# Altium PCB MainBoard_v1.PcbDoc (part 2 of 2)
Units mil, origin at the board's own origin, x right, y up, seen from the top; angles counter-clockwise.
Board outline 6125 x 6375 mil, 2 copper layers (Top Layer, Bottom Layer); 193 components, 120 nets, 701 pads, 462 vias.
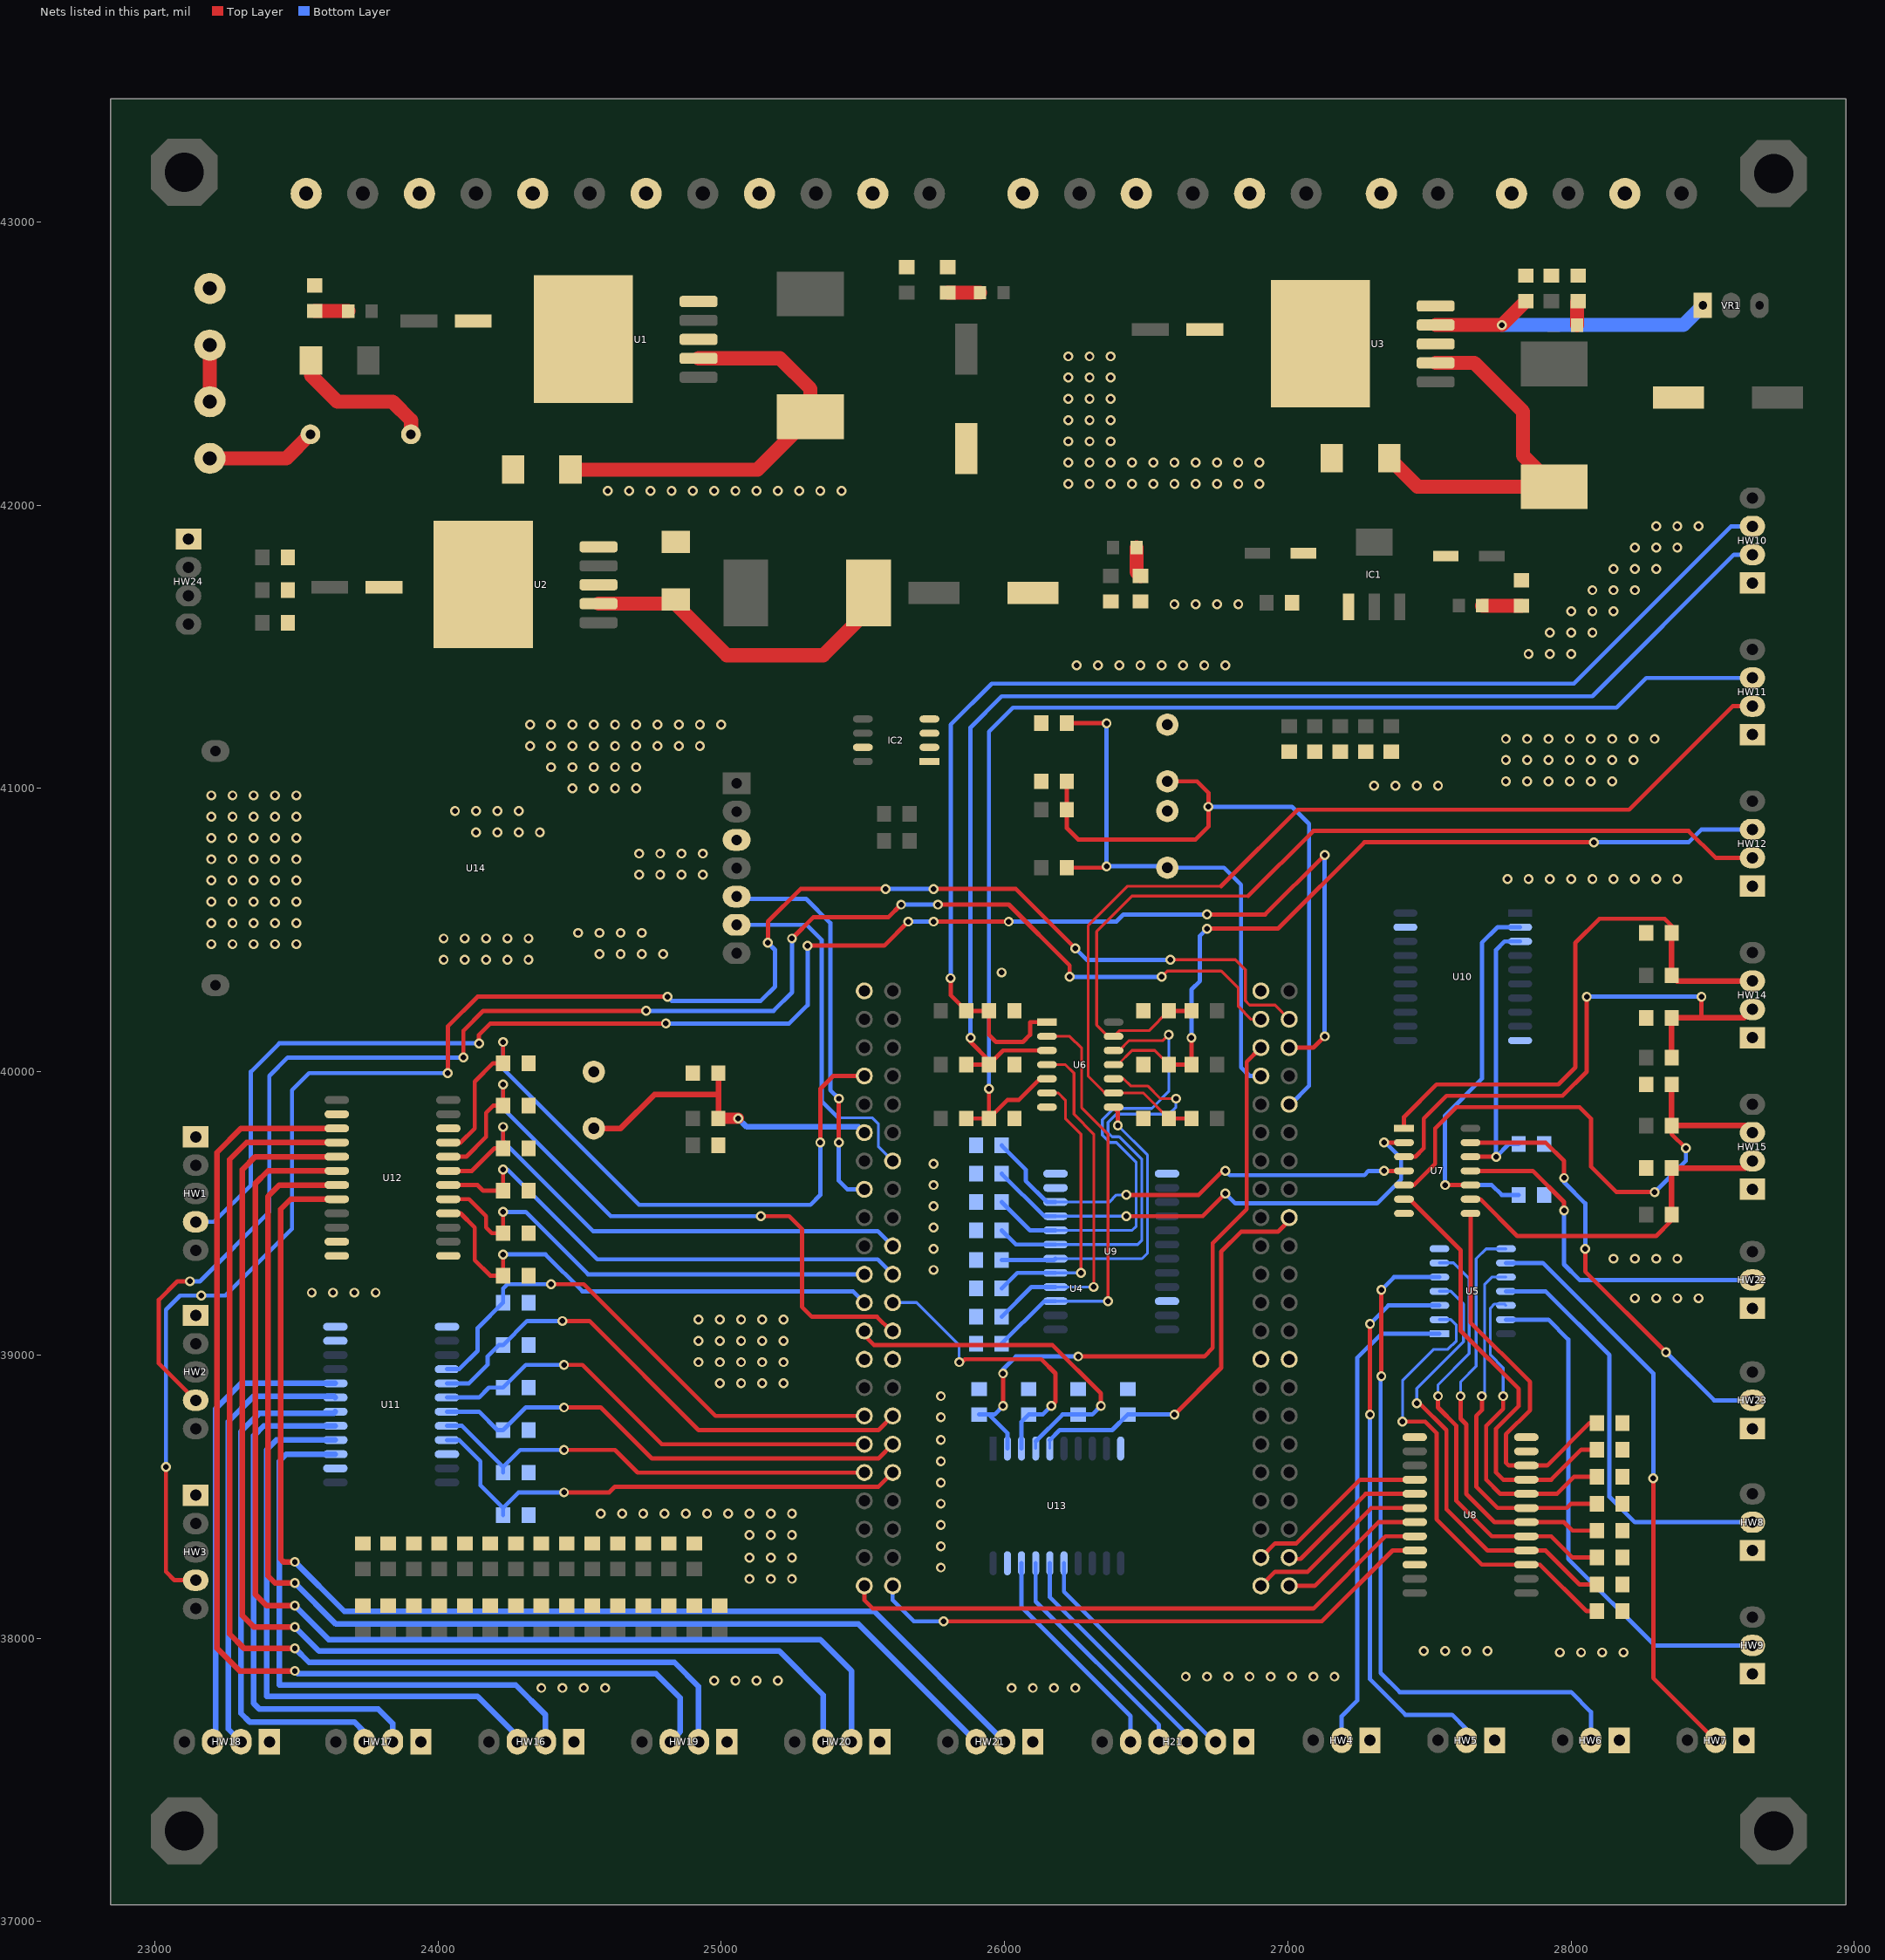
[diagram p2: the nets of this part, all layers, seen from the top]

## Via types
v1: diameter 35, hole 20, Top Layer to Bottom Layer, 462 vias

## Nets (pads, with @x,y where several pads share a name; then routed paths per layer and width w, separated by ;. In a path a pad name is that pad's centre, name@x,y a point inside that pad or via, vN(x,y) a via of type N, cw(c..) or ccw(c..) an arc to the next point about the centre after c; other vN are vias at no path point) (continued)
GND: C1.1 C2.2 C3.1 C4.2 C5.1 C6.2 C7.1 C8.2 C9.1 C10.2 C11.1 C12.2 C13.1 C14.2 C15.1 C16.2 C17.1 C18.1 C19.2 C20.2 C21.2 C22.2 C23.2 C24.2 C25.2 C26.2 C27.2 C28.2 C29.1 C30.1 C31.2 C32.1 C33.1 C34.2 C35.1 C36.1 C37.2 C38.1 C39.1 C40.2 C41.1 C42.1 C43.2 C44.2 C45.2 C46.2 C47.2 C48.2 C49.2 C50.2 C51.2 C52.2 C53.2 C54.2 C55.2 C56.2 C57.2 C58.2 C59.2 C60.2 C61.1 C62.1 C63.2 D2.2 D5.2 D8.2 H21.1 HD2.1 HD3.1 HD4.1 HD5.1 HD6.1 HD7.1 HD8.1 HD9.1 HD10.1 HD11.1 HD12.1 HD13.1 HD14.1 HW1.1 HW2.1 HW3.1 HW4.1 HW5.1 HW6.1 HW7.1 HW8.1 HW9.1 HW10.1 HW11.1 HW12.1 HW14.1 HW15.1 HW16.1 HW17.1 HW18.1 HW19.1 HW20.1 HW21.1 HW22.1 HW23.1 HW24.1 IC1.1 IC2.1 IC2.2 IC2.3 IC2.4 IC2.7 R1.2 R2.2 R3.2 R4.2 R5.2 R6.2 R20.1 R21.1 R22.1 R23.1 R24.1 R25.1 R26.1 R27.1 R28.1 R29.1 R30.1 R31.1 R32.2 R33.2 R34.2 R35.2 R36.2 R37.2 R38.2 R39.2 R40.2 R41.2 R42.2 R43.2 R44.2 R45.2 R46.2 R47.2 R48.2 R49.2 R50.2 R51.2 R52.2 R53.2 S1.1 S2.1 S3.1 U1.0 U1.3 U1.5 U2.0 U2.3 U2.5 U3.0 U3.3 U3.5 U4.1 U4.14 U4.31 U4.45 U4.58 U4.75 U5.7 U6.7 U7.7 U8.11 U8.12 U8.13 U8.22 U9.11 U9.12 U9.13 U9.22 U10.10 U10.19 U11.2 U11.11 U11.12 U11.13 U11.22 U12.2 U12.11 U12.12 U12.13 U12.22 U13.10 U13.19 U14.3
  other v1: 24365,37825 24440,37825 24515,37825 24590,37825 26025,37825 26100,37825 26175,37825 26250,37825 24975,37850 25050,37850 25125,37850 25200,37850 26640,37865 26715,37865 26790,37865 26865,37865 26940,37865 27015,37865 27090,37865 27165,37865 27960,37950 28035,37950 28110,37950 28185,37950 27480,37955 27555,37955 27630,37955 27705,37955 25100,38210 25175,38210 25250,38210 25775,38250 25100,38285 25175,38285 25250,38285 25775,38325 25100,38365 25175,38365 25250,38365 25775,38400 24575,38440 24650,38440 24725,38440 24800,38440 24875,38440 24950,38440 25025,38440 25100,38440 25175,38440 25250,38440 25775,38475 25775,38550 25775,38625 25775,38700 25775,38780 25775,38855 24995,38900 25070,38900 25145,38900 25220,38900 24920,38975 24995,38975 25070,38975 25145,38975 25220,38975 24920,39050 24995,39050 25070,39050 25145,39050 25220,39050 24920,39125 24995,39125 25070,39125 25145,39125 25220,39125 28225,39200 28300,39200 28375,39200 28450,39200 23555,39220 23630,39220 23705,39220 23780,39220 25750,39300 28150,39340 28225,39340 28300,39340 28375,39340 25750,39375 25750,39450 25750,39525 25750,39600 25750,39675 25990,40350 24020,40395 24095,40395 24170,40395 24245,40395 24320,40395 24570,40415 24645,40415 24720,40415 24795,40415 23200,40450 23275,40450 23350,40450 23425,40450 23500,40450 24020,40470 24095,40470 24170,40470 24245,40470 24320,40470 24495,40490 24570,40490 24645,40490 24720,40490 23200,40525 23275,40525 23350,40525 23425,40525 23500,40525 23200,40600 23275,40600 23350,40600 23425,40600 23500,40600 23200,40675 23275,40675 23350,40675 23425,40675 23500,40675 27775,40680 27850,40680 27925,40680 28000,40680 28075,40680 28150,40680 28225,40680 28300,40680 28375,40680 24710,40695 24785,40695 24860,40695 24935,40695 23200,40750 23275,40750 23350,40750 23425,40750 23500,40750 24710,40770 24785,40770 24860,40770 24935,40770 23200,40825 23275,40825 23350,40825 23425,40825 23500,40825 24135,40845 24210,40845 24285,40845 24360,40845 23200,40900 23275,40900 23350,40900 23425,40900 23500,40900 24060,40920 24135,40920 24210,40920 24285,40920 23200,40975 23275,40975 23350,40975 23425,40975 23500,40975 24475,41000 24550,41000 24625,41000 24700,41000 27305,41010 27380,41010 27455,41010 27530,41010 27770,41025 27845,41025 27920,41025 27995,41025 28070,41025 28145,41025 24400,41075 24475,41075 24550,41075 24625,41075 24700,41075 27770,41100 27845,41100 27920,41100 27995,41100 28070,41100 28145,41100 28220,41100 24325,41150 24400,41150 24475,41150 24550,41150 24625,41150 24700,41150 24775,41150 24850,41150 24925,41150 27770,41175 27845,41175 27920,41175 27995,41175 28070,41175 28145,41175 28220,41175 28295,41175 24325,41225 24400,41225 24475,41225 24550,41225 24625,41225 24700,41225 24775,41225 24850,41225 24925,41225 25000,41225 26255,41435 26330,41435 26405,41435 26480,41435 26555,41435 26630,41435 26705,41435 26780,41435 27850,41475 27925,41475 28000,41475 27925,41550 28000,41550 28075,41550 28000,41625 28075,41625 28150,41625 26600,41650 26675,41650 26750,41650 26825,41650 28075,41700 28150,41700 28225,41700 28150,41775 28225,41775 28300,41775 28225,41850 28300,41850 28375,41850 28300,41925 28375,41925 28450,41925 24600,42050 24675,42050 24750,42050 24825,42050 24900,42050 24975,42050 25050,42050 25125,42050 25200,42050 25275,42050 25350,42050 25425,42050 26225,42075 26300,42075 26375,42075 26450,42075 26525,42075 26600,42075 26675,42075 26750,42075 26825,42075 26900,42075 26225,42150 26300,42150 26375,42150 26450,42150 26525,42150 26600,42150 26675,42150 26750,42150 26825,42150 26900,42150 26225,42225 26300,42225 26375,42225 26225,42300 26300,42300 26375,42300 26225,42375 26300,42375 26375,42375 26225,42450 26300,42450 26375,42450 26225,42525 26300,42525 26375,42525
iDI1: HW22.2 U7.11 | length 1283.3
  Top Layer w15: U7.11@27645,39650 27865,39650 27975,39540 v1(27975,39510)
  Bottom Layer w15: v1(27975,39510) 27975,39320 28030,39265 HW22.2@28640,39265
iDI2: HW23.2 U7.13 | length 1556.5
  Top Layer w15: U7.13@27645,39750 27910,39750 27975,39685 v1(27975,39625) ; v1(28050,39375) 28050,39295 v1(28335,39010)
  Bottom Layer w10: v1@27975,39610 v1(27975,39625)
  Bottom Layer w15: v1@27975,39610 28050,39535 v1(28050,39375) ; v1(28335,39010) 28505,38840 HW23.2@28640,38840
iDIR1: R20.2 U4.27 U11.21 | length 1799.1
  Top Layer w15: v1(24445,38515) 24605,38515 24625,38535 25555,38535 U4.27@25605,38585
  Bottom Layer w15: U11.21@24031.85,38700 24075,38700 24150,38625 24150,38540 R20.2@24230,38460 ; R20.2@24230,38435 R20.2@24230,38460 ; v1(24445,38515) 24285,38515 R20.2@24230,38460
iDIR2: R22.2 U4.28 U11.19 | length 1728.5
  Top Layer w15: v1(24445,38815) 24575,38815 24755,38635 25555,38635 U4.28@25605,38685
  Bottom Layer w15: U11.19@24031.85,38800 24145,38800 24210,38735 R22.2@24230,38735 24310,38815 v1(24445,38815)
iDIR3: R24.2 U4.29 U11.17 | length 1862
  Top Layer w15: v1(24440,39120) 24535,39120 24920,38735 25555,38735 U4.29@25605,38785
  Bottom Layer w15: U11.17@24031.85,38900 24110,38900 24175,38965 24175,38995 24215,39035 R24.2@24230,39035 24315,39120 v1(24440,39120)
iDIR4: R27.2 U4.32 U12.20 | length 2338.7
  Top Layer w15: U12.20@24036.85,39700 24100,39700 24170,39770 24170,39855 24195,39880 R27.2@24230,39880 v1(24230,39955) ; v1(25140,39490) 25240,39490 25285,39445 25285,39170 25320,39135 25550,39135 25600,39085 U4.32@25605,39085
  Bottom Layer w15: v1(24230,39955) 24230,39870 24610,39490 v1(25140,39490)
iDIR5: R29.2 U4.34 U12.18 | length 1804.7
  Top Layer w15: U12.18@24036.85,39600 24140,39600 24160,39580 R29.2@24230,39580 v1(24230,39655)
  Bottom Layer w15: v1(24230,39655) 24245,39655 24562.5,39337.5 25552.5,39337.5 U4.34@25605,39285
iDIR6: R31.2 U4.12 U12.16 | length 1772.1
  Top Layer w15: U12.16@24036.85,39500 24080,39500 24130,39450 24130,39335 24185,39280 R31.2@24230,39280 v1(24230,39355)
  Bottom Layer w15: v1(24230,39355) 24380,39355 24510,39225 25465,39225 U4.12@25505,39185
iDO1: R32.1 U4.47 U13.2 | length 2275.8
  Top Layer w15: v1(25995,38820) v1(25995,38935) ; v1(26260,38995) 26705,38995 26735,39025 26735,39395 26855,39515 26855,40035 U4.47@26905,40085
  Bottom Layer w15: R32.1@25910,38790 25945,38790 ; v1(25995,38820) 25965,38790 25945,38790 ; v1(25995,38935) 25995,38950 26040,38995 v1(26260,38995) ; U13.2@26010,38670 26010,38725 25945,38790
iDO2: R33.1 U4.33 U13.3 | length 1066
  Top Layer w15: v1(25840,38975) 25850,38975 25860,38985 26130,38985 26180,38935 26180,38835 v1(26165,38820)
  Bottom Layer w10: U4.33@25605,39185 25690,39185 25840,39035 v1(25840,38975)
  Bottom Layer w15: U13.3@26060,38670 26060,38765 R33.1@26085,38790 26135,38790 v1(26165,38820)
iDO3: R34.1 U4.13 U13.4 | length 1286.7
  Top Layer w10: U4.13@25505,39070 U4.13@25505,39085
  Top Layer w15: U4.13@25505,39070 25540,39035 26170,39035 26340,38865 v1(26340,38820)
  Bottom Layer w10: U13.4@26110,38670 U13.4@26110,38695
  Bottom Layer w15: U13.4@26110,38695 26205,38790 R34.1@26260,38790 26310,38790 v1(26340,38820)
iDO4: R35.1 U4.80 U13.5 | length 1446.2
  Top Layer w10: U4.80@27005,39475 U4.80@27005,39485
  Top Layer w15: v1(26600,38790) 26765,38955 26765,39365 26835,39435 26965,39435 U4.80@27005,39475
  Bottom Layer w10: U13.5@26160,38670 U13.5@26160,38700
  Bottom Layer w15: U13.5@26160,38700 26195,38735 26380,38735 R35.1@26435,38790 v1(26600,38790)
iENC1_A: C30.2 HW10.3 R10.2 U6.1 | length 4588.4
  Top Layer w15: v1(25810,40330) 25810,40270 R10.2@25865,40215 C30.2@25945,40215 25945,40130 25970,40105 26065,40105 26090,40130 26090,40175 U6.1@26150,40175
  Bottom Layer w15: v1(25810,40330) 25810,41225 25955,41370 28010,41370 28565,41925 HW10.3@28640,41925
iENC1_B: C29.2 HW10.2 R11.2 U6.3 | length 4535.3
  Top Layer w15: R11.2@25865,40025 C29.2@25945,40025 ; v1(25880,40120) 25880,40105 25945,40040 C29.2@25945,40025 ; U6.3@26150,40075 25995,40075 C29.2@25945,40025
  Bottom Layer w15: v1(25880,40120) 25880,41215 25990,41325 28075,41325 28575,41825 HW10.2@28640,41825
iENC2_A: C33.2 HW11.3 R12.2 U6.5 | length 4481.7
  Top Layer w10: U6.5@26125,39975 U6.5@26150,39975
  Top Layer w15: R12.2@25865,39835 C33.2@25945,39835 ; v1(25945,39940) C33.2@25945,39835 ; U6.5@26125,39975 26050,39900 26010,39900 C33.2@25945,39835
  Bottom Layer w15: v1(25945,39940) 25945,41200 26030,41285 28160,41285 28265,41390 HW11.3@28640,41390
iENC2_B: C32.2 HW11.2 R13.2 U6.9 | length 3623.1
  Top Layer w10: U6.9@26355,39925 26295,39985 26295,40515 26435,40655 26765,40655 ; U6.9@26385,39925 26490,39925 C32.2@26580,39835
  Top Layer w15: U6.9@26355,39925 U6.9@26385,39925 ; C32.2@26580,39835 R13.2@26660,39835 ; 26765,40655 27035,40925 28205,40925 28570,41290 HW11.2@28640,41290
iENC3_A: C36.2 HW12.3 R14.2 U6.11 | length 2889.2
  Top Layer w10: U6.11@26385,40025 26400,40025 26450,40075 26530,40075 C36.2@26580,40025
  Top Layer w15: C36.2@26580,40025 R14.2@26660,40025 v1(26660,40120) ; v1(26715,40505) 26965,40505 27270,40810 v1(28080,40810)
  Bottom Layer w15: v1(26660,40120) 26660,40290 26690,40320 26690,40480 v1(26715,40505) ; v1(28080,40810) 28415,40810 28460,40855 HW12.3@28640,40855
iENC3_B: C35.2 HW12.2 R15.2 U6.13 | length 3220.2
  Top Layer w10: C35.2@26580,40215 26510,40145 26405,40145 U6.13@26385,40125 26365,40125 26325,40165 26325,40495 26450,40620 26860,40620
  Top Layer w15: C35.2@26580,40215 R15.2@26660,40215 ; 26860,40620 27090,40850 28415,40850 28510,40755 HW12.2@28640,40755
iENC4_A: C39.2 HW14.3 R16.2 U7.1 | length 2025.5
  Top Layer w15: U7.1@27410,39800 27410,39840 27525,39955 27955,39955 28015,40015 28015,40455 28100,40540 28330,40540 28355,40515 C39.2@28355,40490
  Top Layer w20: C39.2@28355,40490 R16.2@28355,40340 28375,40320 HW14.3@28640,40320 HW14.3@28630,40330
iENC4_B: C38.2 HW14.2 R17.2 U7.3 | length 2013.2
  Top Layer w15: U7.3@27410,39700 27450,39700 27480,39730 27480,39835 27560,39915 27970,39915 28055,40000 v1(28055,40265) ; 28460,40190 v1(28460,40265)
  Top Layer w20: R17.2@28355,40050 C38.2@28355,40190 28460,40190 28610,40190 HW14.2@28640,40220
  Bottom Layer w15: v1(28055,40265) v1(28460,40265)
iENC5_A: C42.2 HW15.3 R18.2 U7.5 | length 2037.6
  Top Layer w15: U7.5@27410,39600 27445,39600 27520,39675 27520,39800 27595,39875 28030,39875 28070,39835 28070,39665 28160,39575 v1(28295,39575) ; R18.2@28355,39810 28355,39780 v1(28405,39730)
  Top Layer w20: C42.2@28355,39955 R18.2@28355,39810 28615,39810 HW15.3@28640,39785
  Bottom Layer w15: v1(28295,39575) 28405,39685 v1(28405,39730)
iENC5_B: C41.2 HW15.2 R19.2 U7.9 | length 1267
  Top Layer w10: R19.2@28355,39475 R19.2@28355,39495
  Top Layer w15: U7.9@27645,39550 27680,39550 27810,39420 28300,39420 R19.2@28355,39475
  Top Layer w20: R19.2@28355,39495 C41.2@28355,39660 28615,39660 HW15.2@28640,39685
iLS1_1: HW4.2 U5.1 | length 1698
  Bottom Layer w15: HW4.2@27190,37640 27190,37725 27245,37780 27245,38990 27330,39075 U5.1@27535,39075
iLS1_2: HW5.2 U5.3 | length 1979.4
  Top Layer w15: v1(27290,38790) v1(27290,39110)
  Bottom Layer w15: v1(27290,38790) 27290,37855 27415,37730 27580,37730 27630,37680 HW5.2@27630,37640 ; v1(27290,39110) 27355,39175 U5.3@27535,39175
iLS2_1: HW6.2 U5.5 | length 2476.6
  Top Layer w15: v1(27330,38925) v1(27330,39230)
  Bottom Layer w15: v1(27330,38925) 27327.5,38922.5 27327.5,37877.5 27395,37810 28000,37810 28070,37740 HW6.2@28070,37640 ; v1(27330,39230) 27375,39275 U5.5@27535,39275
iLS2_2: HW7.2 U5.9 | length 2067.7
  Top Layer w15: v1(28290,38565) 28290,37860 HW7.2@28510,37640
  Bottom Layer w15: U5.9@27770,39325 27900,39325 28290,38935 v1(28290,38565)
iLS3_1: HW8.2 U5.11 | length 1500.5
  Bottom Layer w15: U5.11@27770,39225 27910,39225 28135,39000 28135,38500 28225,38410 HW8.2@28640,38410
iLS3_2: HW9.2 U5.13 | length 1800.3
  Bottom Layer w15: U5.13@27770,39125 27920,39125 27990,39055 27990,38280 28295,37975 HW9.2@28640,37975
iPUL1: R21.2 U4.18 U11.20 | length 1611.2
  Top Layer w15: v1(24445,38665) 24625,38665 24705,38585 U4.18@25505,38585
  Bottom Layer w15: U11.20@24031.85,38750 24085,38750 R21.2@24230,38605 ; R21.2@24230,38585 R21.2@24230,38605 ; v1(24445,38665) 24290,38665 R21.2@24230,38605
iPUL2: R23.2 U4.17 U11.18 | length 1636.8
  Top Layer w15: v1(24445,38965) 24510,38965 24790,38685 U4.17@25505,38685
  Bottom Layer w15: U11.18@24031.85,38850 24145,38850 24180,38885 R23.2@24230,38885 24310,38965 v1(24445,38965)
iPUL3: R25.2 U4.16 U11.16 | length 1866.2
  Top Layer w15: v1(24400,39250) 24515,39250 24980,38785 U4.16@25505,38785
  Bottom Layer w15: U11.16@24031.85,38950 24075,38950 24140,39015 24140,39095 R25.2@24230,39185 24230,39235 24245,39250 v1(24400,39250)
iPUL4: R26.2 U4.4 U12.21 | length 2457.7
  Top Layer w15: U12.21@24036.85,39750 24080,39750 24130,39800 24130,39965 24195,40030 R26.2@24230,40030 v1(24230,40105) ; v1(25350,39750) 25350,39940 25395,39985 U4.4@25505,39985
  Bottom Layer w15: v1(24230,40105) 24230,40010 24710,39530 25315,39530 25350,39565 v1(25350,39750)
iPUL5: R28.2 U4.35 U12.19 | length 1879.5
  Top Layer w15: U12.19@24036.85,39650 24120,39650 24200,39730 R28.2@24230,39730 v1(24230,39805)
  Bottom Layer w15: v1(24230,39805) 24230,39755 24547.5,39437.5 25552.5,39437.5 U4.35@25605,39385
iPUL6: R30.2 U4.11 U12.17 | length 1707.4
  Top Layer w15: U12.17@24036.85,39550 24110,39550 24170,39490 24170,39450 24190,39430 R30.2@24230,39430 v1(24230,39505)
  Bottom Layer w15: v1(24230,39505) 24310,39505 24530,39285 U4.11@25505,39285
LS1_1: U4.23 U8.21 | length 2027.8
  Top Layer w15: v1(25785,38060) 27120,38060 27370,38310 U8.21@27448.15,38310
  Bottom Layer w15: U4.23@25605,38185 25605,38135 25680,38060 v1(25785,38060)
LS1_2: U4.22 U8.20 | length 2111.2
  Top Layer w15: U4.22@25505,38185 25505,38135 25535,38105 27090,38105 27345,38360 U8.20@27448.15,38360
LS2_1: U4.67 U8.19 | length 536.3
  Top Layer w15: U4.67@27005,38185 27095,38185 27320,38410 U8.19@27448.15,38410
LS2_2: U4.66 U8.18 | length 657.1
  Top Layer w15: U4.66@26905,38185 26955,38235 27070,38235 27295,38460 U8.18@27448.15,38460
LS3_1: U4.68 U8.17 | length 540.5
  Top Layer w15: U4.68@27005,38285 27010,38280 27045,38280 27275,38510 U8.17@27448.15,38510
LS3_2: U4.65 U8.16 | length 657.1
  Top Layer w15: U4.65@26905,38285 26955,38335 27030,38335 27255,38560 U8.16@27448.15,38560
NetD1_1: D1.1 F1.2 | length 520.4
  Top Layer w50: D1.1@23552.01,42510.01 23552.01,42457.99 23645,42365 23840,42365 23905,42300 F1.2@23905,42250
NetD2_1: D2.1 L1.1 U1.2 | length 1462.3
  Top Layer w50: D2.1@24467.99,42124.99 25128.06,42124.99 L1.1@25315,42311.93 25315,42410 25206.93,42518.07 U1.2@24920,42518.07
NetD3_2: D3-24V.2 R1.1 | length 118.7
  Top Layer w50: R1.1@23565,42685 D3-24V.2@23683.66,42685
NetD4_2: D4-12V.2 R2.1 | length 113.7
  Top Layer w50: R2.1@25800,42750 D4-12V.2@25913.66,42750
NetD5_1: D5.1 L2.1 U2.2 | length 1177.1
  Top Layer w50: U2.2@24567,41651.93 24824.92,41651.93 D5.1@24839.99,41667.01 24839.99,41650.01 25020,41470 25360,41470 25520,41630 L2.1@25520,41690
NetD6_2: D6-5V.2 R3.1 | length 105.7
  Top Layer w50: D6-5V.2@26466.34,41850 26466.34,41763.66 R3.1@26480,41750
NetD7_2: D7-3V3.2 R4.1 | length 138.7
  Top Layer w50: D7-3V3.2@27686.34,41645 R4.1@27825,41645
NetD8_1: D8.1 L3.1 U3.2 | length 1313.2
  Top Layer w50: D8.1@27357.99,42164.99 27457.99,42065 L3.1@27940,42065 27830,42175 27830,42330 27658.07,42501.93 U3.2@27522,42501.93
NetD9_2: D9-ADJV.2 R6.1 | length 86.5
  Top Layer w50: D9-ADJV.2@28021.34,42635 28021.34,42716.34 R6.1@28025,42720
NetF1_1: F1.1 HD1.2 | length 390.2
  Top Layer w50: HD1.2@23195,42165 23465,42165 F1.1@23550,42250
NetHD1_1: HD1.1 HD2.2 | length 200
  Top Layer w50: HD1.1@23195,42365 HD2.2@23195,42565
NetR5_1: R5.1 U3.4 VR1.1 | length 1090.8
  Top Layer w50: U3.4@27522,42635.79 v1(27755.79,42635.79) R5.1@27840,42720
  Bottom Layer w50: v1(27755.79,42635.79) 28395.79,42635.79 VR1.1@28465,42705
NRST: C18.2 R9.2 S3.2 U4.6 | length 1185.4
  Top Layer w20: S3.2@24550,39800 24645,39800 24765,39920 24990,39920 ; R9.2@24990,39835 24990,39920 ; C18.2@24990,39995 24990,39920
  Top Layer w40: R9.2@24990,39835 v1(25060,39835)
  Bottom Layer w20: v1(25060,39835) 25090,39805 25485,39805 U4.6@25505,39785
oDI1: R52.1 U7.10 U10.2 | length 1431.1
  Top Layer w15: v1(27555,39600) U7.10@27645,39600
  Bottom Layer w15: R52.1@27815,39565 27755,39565 27720,39600 v1(27555,39600) 27555,39845 27685,39975 27685,40455 27740,40510 U10.2@27820,40510
oDI2: R53.1 U7.12 U10.3 | length 1016.1
  Top Layer w15: U7.12@27645,39700 v1(27735,39700)
  Bottom Layer w15: R53.1@27815,39745 27780,39745 v1(27735,39700) 27735,40430 27765,40460 U10.3@27820,40460
oDIR1: HW16.2 U11.3 | length 2077
  Bottom Layer w20: U11.3@23638.15,38650 23465,38650 23440,38625 23440,37835 24275,37835 24380,37730 HW16.2@24380,37635
oDIR2: HW17.2 U11.5 | length 1831.6
  Bottom Layer w20: U11.5@23638.15,38750 23385,38750 23350,38715 23350,37770 23370,37750 23790,37750 23840,37700 HW17.2@23840,37635
oDIR3: HW18.2 U11.7 | length 1566.1
  Bottom Layer w20: HW18.2@23305,37635 23260,37680 23260,38765 23350,38855 23633.15,38855 U11.7@23638.15,38850
oDIR4: HW19.2 U12.4 | length 4004.6
  Top Layer w20: v1(23495,37965) 23315,37965 23265,38015 23265,39690 23325,39750 U12.4@23643.15,39750
  Bottom Layer w20: v1(23495,37965) 23545,37915 24835,37915 24920,37830 HW19.2@24920,37635
oDIR5: HW20.2 U12.6 | length 4223.6
  Top Layer w20: v1(23495,38115) 23395,38115 23355,38155 23355,39605 23400,39650 U12.6@23643.15,39650
  Bottom Layer w20: v1(23495,38115) 23615,37995 25350,37995 25460,37885 HW20.2@25460,37635
oDIR6: HW21.2 U12.8 | length 4269.8
  Top Layer w20: v1(23495,38270) 23455,38270 23445,38280 23445,39515 23480,39550 U12.8@23643.15,39550
  Bottom Layer w20: v1(23495,38270) 23670,38095 25540,38095 HW21.2@26000,37635
oDO1: H21.5 U13.18 | length 789.5
  Bottom Layer w15: U13.18@26060,38265 26060,38110 26445,37725 H21.5@26445,37635
oDO2: H21.4 U13.17 | length 810.2
  Bottom Layer w15: U13.17@26110,38265 26110,38130 26545,37695 H21.4@26545,37635
oDO3: H21.3 U13.16 | length 830.9
  Bottom Layer w15: U13.16@26160,38265 26160,38145 26645,37660 H21.3@26645,37635
oDO4: H21.2 U13.15 | length 854.5
  Bottom Layer w10: H21.2@26740,37635 H21.2@26745,37635
  Bottom Layer w15: U13.15@26210,38265 26210,38165 H21.2@26740,37635
oENC1_A: R44.1 U6.2 U9.3 | length 1508.1
  Top Layer w10: U6.2@26150,40125 26230,40125 26272.5,40082.5 26272.5,39872.5 26365,39780 v1(26365,39190)
  Bottom Layer w10: U9.3@26180,39190 v1(26365,39190)
  Bottom Layer w15: R44.1@25990,39040 26140,39190 U9.3@26180,39190
oENC1_B: R45.1 U6.4 U9.4 | length 1259.9
  Top Layer w10: U6.4@26150,40025 26215,40025 26245,39995 26245,39850 26315,39780 v1(26315,39240)
  Bottom Layer w10: U9.4@26180,39240 v1(26315,39240)
  Bottom Layer w15: R45.1@25990,39135 26095,39240 U9.4@26180,39240
oENC2_A: R46.1 U6.6 U9.5 | length 1010.9
  Top Layer w10: U6.6@26150,39925 26190,39925 26215,39900 26215,39835 26270,39780 v1(26270,39290)
  Bottom Layer w10: U9.5@26180,39290 v1(26270,39290)
  Bottom Layer w15: R46.1@25990,39235 26045,39290 U9.5@26180,39290
oENC2_B: R47.1 U6.8 U9.6 | length 1090.1
  Top Layer w15: U6.8@26385,39875 26400,39860 v1(26400,39810)
  Bottom Layer w10: U9.6@26180,39340 26485,39340 26505,39360 26505,39705 v1(26400,39810)
  Bottom Layer w15: R47.1@25990,39335 26175,39335 U9.6@26180,39340
oENC3_A: R48.1 U6.10 U9.7 | length 1543.6
  Top Layer w10: U6.10@26385,39975 26420,39975 26445,39950 26505,39950 26550,39905 v1(26605,39905)
  Bottom Layer w10: U9.7@26180,39390 26470,39390 26485,39405 26485,39690 26405,39770 26380,39770 26365,39785 26365,39820.96 26394.04,39850 26580,39850 26605,39875 v1(26605,39905)
  Bottom Layer w15: R48.1@25990,39440 26040,39390 U9.7@26180,39390
oENC3_B: R49.1 U6.12 U9.8 | length 1655.2
  Top Layer w10: U6.12@26385,40075 26405,40075 26440,40110 26560,40110 v1(26580,40130)
  Bottom Layer w10: U9.8@26180,39440 26450,39440 26465,39455 26465,39680 26395,39750 26371.72,39750 26345,39776.72 26345,39830 26385,39870 26520,39870 26580,39930 v1(26580,40130)
  Bottom Layer w15: R49.1@25990,39540 26090,39440 U9.8@26180,39440
oENC4_A: R50.1 U7.2 U9.9 | length 1782.8
  Top Layer w15: v1(26430,39490) 26700,39490 v1(26780,39570) ; v1(27340,39750) U7.2@27410,39750
  Bottom Layer w10: U9.9@26180,39490 v1(26430,39490)
  Bottom Layer w15: R50.1@25990,39640 26140,39490 U9.9@26180,39490 ; v1(26780,39570) 26815,39535 27315,39535 27400,39620 27400,39695 27345,39750 v1(27340,39750)
oENC4_B: R51.1 U7.4 U9.10 | length 1584.3
  Top Layer w15: v1(26430,39565) 26685,39565 26770,39650 v1(26780,39650) ; v1(27340,39650) U7.4@27410,39650
  Bottom Layer w10: U9.10@26180,39540 26370,39540 26395,39565 v1(26430,39565)
  Bottom Layer w15: R51.1@25990,39740 26075,39655 26075,39615 26150,39540 U9.10@26180,39540 ; v1(26780,39650) 26795,39635 27270,39635 27285,39650 v1(27340,39650)
oENC5_A: R42.1 U7.6 U8.9 | length 1600.6
  Top Layer w15: U7.6@27410,39550 27430,39550 27610,39370 27610,39085 27815,38880 27815,38820 27735,38740 27735,38585 27760,38560 U8.9@27841.85,38560 27930,38560 28036,38666 R42.1@28091,38666 R42.1@28082,38675
oENC5_B: R43.1 U7.8 U8.10 | length 1389.5
  Top Layer w15: U7.8@27645,39500 27645,39115 27855,38905 27855,38805 27770,38720 27770,38620 27780,38610 U8.10@27841.85,38610 27915,38610 28065,38760 R43.1@28091,38760
oLS1_1: R36.1 U5.2 U8.3 | length 1658
  Top Layer w15: v1(27405,38765) 27485,38765 27525,38725 27525,38420 27685,38260 U8.3@27841.85,38260 27890,38260 28054,38096 R36.1@28091,38096
  Bottom Layer w10: v1(27405,38765) 27405,38910 27515,39020 27565,39020 27595,39050 27595,39105 27575,39125 U5.2@27535,39125
oLS1_2: R37.1 U5.4 U8.4 | length 1587.1
  Top Layer w15: v1(27455,38830) 27465,38830 27560,38735 27560,38455 27705,38310 U8.4@27841.85,38310 27910,38310 28030,38190 R37.1@28091,38190
  Bottom Layer w10: v1(27455,38830) 27455,38881.72 27620,39046.72 27620,39180 27575,39225 U5.4@27535,39225
oLS2_1: R38.1 U5.6 U8.5 | length 1578.1
  Top Layer w15: v1(27530,38855) 27530,38815 27595,38750 27595,38485 27720,38360 U8.5@27841.85,38360 27930,38360 28005,38285 R38.1@28091,38285 R38.1@28091,38299
  Bottom Layer w10: v1(27530,38855) 27530,38895 27640,39005 27640,39270 27585,39325 U5.6@27535,39325
oLS2_2: R39.1 U5.8 U8.6 | length 1509.4
  Top Layer w15: v1(27610,38855) 27610,38775 27630,38755 27630,38510 27730,38410 U8.6@27841.85,38410 27975,38410 28005,38380 R39.1@28091,38380 R39.1@28091,38394
  Bottom Layer w10: v1(27610,38855) 27610,38905 27665,38960 27665,39340 27700,39375 U5.8@27770,39375
oLS3_1: R40.1 U5.10 U8.7 | length 1276.1
  Top Layer w15: v1(27685,38855) 27685,38805 27665,38785 27665,38535 27740,38460 U8.7@27841.85,38460 27985,38460 28000,38475 R40.1@28091,38475
  Bottom Layer w10: v1(27685,38855) 27695,38865 27695,39250 27720,39275 U5.10@27770,39275
oLS3_2: R41.1 U5.12 U8.8 | length 1148.3
  Top Layer w15: v1(27760,38855) 27760,38810 27700,38750 27700,38560 27750,38510 U8.8@27841.85,38510 27950,38510 28010,38570 R41.1@28091,38570
  Bottom Layer w10: v1(27760,38855) 27760,38955 27715,39000 27715,39165 27730,39180 27765,39180 U5.12@27770,39175
oPUL1: HW16.3 U11.4 | length 2090.6
  Bottom Layer w20: U11.4@23638.15,38700 23430,38700 23395,38665 23395,37795 24140,37795 24280,37655 HW16.3@24280,37635
oPUL2: HW17.3 U11.6 | length 1854.1
  Bottom Layer w20: U11.6@23638.15,38800 23633.15,38795 23370,38795 23305,38730 23305,37735 23335,37705 23705,37705 23740,37670 HW17.3@23740,37635
oPUL3: HW18.3 U11.8 | length 1639.6
  Bottom Layer w20: HW18.3@23205,37635 23215,37645 23215,38810 23305,38900 U11.8@23638.15,38900
oPUL4: HW19.3 U12.3 | length 4085.3
  Top Layer w20: v1(23495,37885) 23300,37885 23220,37965 23220,39715 23305,39800 U12.3@23643.15,39800
  Bottom Layer w20: v1(23495,37885) 23505,37875 24770,37875 24855,37790 24855,37670 HW19.3@24820,37635
oPUL5: HW20.3 U12.5 | length 4257.8
  Top Layer w20: v1(23495,38040) 23350,38040 23310,38080 23310,39655 23355,39700 U12.5@23643.15,39700
  Bottom Layer w20: v1(23495,38040) 23580,37955 25205,37955 25360,37800 HW20.3@25360,37635
oPUL6: HW21.3 U12.7 | length 4342
  Top Layer w20: v1(23495,38195) 23425,38195 23400,38220 23400,39560 23440,39600 U12.7@23643.15,39600
  Bottom Layer w20: v1(23495,38195) 23640,38050 25485,38050 HW21.3@25900,37635
PA0: U4.38 U14.6 | length 1276.6
  Bottom Layer w10: 25412.5,39837.5 25532.5,39837.5 25555,39815 25555,39735 U4.38@25605,39685
  Bottom Layer w15: U14.6@25054.37,40518.39 25301.61,40518.39 25355,40465 25355,39895 25412.5,39837.5
PA1: U4.8 U14.5 | length 1394.2
  Top Layer w15: v1(25415,39750) v1(25415,39905)
  Bottom Layer w15: U14.5@25054.37,40618.39 25062.76,40610 25300,40610 25385,40525 25385,39935 v1(25415,39905) ; v1(25415,39750) 25415,39615 25445,39585 U4.8@25505,39585
PA10: C61.2 R54.2 S1.2 U4.84 | length 2383.6
  Top Layer w15: C61.2@26220,41025 R54.2@26220,40925 26220,40860 26260,40820 26675,40820 26720,40865 v1(26720,40935) 26720,40985 26680,41025 S1.2@26575,41025
  Bottom Layer w15: v1(26720,40935) 27015,40935 27075,40875 27075,39950 27010,39885 U4.84@27005,39885
PA11: C62.2 R55.2 S2.2 U4.48 | length 2016.4
  Top Layer w15: R55.2@26220,40720 26355,40720 v1(26360,40725) ; C62.2@26220,41230 v1(26360,41230)
  Bottom Layer w15: v1(26360,41230) v1(26360,40725) 26570,40725 S2.2@26575,40720 26775,40720 26835,40660 26835,40015 26865,39985 U4.48@26905,39985
PC10: HW1.4 U4.86 | length 5677.9
  Top Layer w15: v1(24145,40100) 24145,40130 24185,40170 v1(24805,40170) ; v1(25305,40445) 25575,40445 v1(25660,40530) ; v1(25750,40530) v1(26015,40530) ; v1(26715,40555) 26920,40555 v1(27130,40765) ; U4.86@27005,40085 27090,40085 v1(27130,40125)
  Bottom Layer w15: HW1.4@23145,39470 23210,39470 23340,39600 23340,40000 23440,40100 v1(24145,40100) ; v1(24805,40170) 25240,40170 25305,40235 v1(25305,40445) ; v1(25660,40530) v1(25750,40530) ; v1(26015,40530) 26395,40530 26420,40555 v1(26715,40555) ; v1(27130,40125) v1(27130,40765)
PC11: HW2.4 U4.46 | length 5570.6
  Top Layer w10: v1(26555,40335) 26575,40355 26765,40355 26825,40295 26825,40230 26870,40185 U4.46@26905,40185
  Top Layer w15: v1(23125,39260) 23080,39260 23015,39195 23015,38970 HW2.4@23145,38840 ; v1(24090,40050) 24090,40145 24160,40215 v1(24735,40215) ; v1(25250,40470) 25325,40545 25590,40545 v1(25635,40590) ; v1(25765,40590) 26015,40590 26230,40375 v1(26230,40335)
  Bottom Layer w15: v1(23125,39260) 23160,39260 23405,39505 23405,39985 23470,40050 v1(24090,40050) ; v1(24735,40215) 25185,40215 25250,40280 v1(25250,40470) ; v1(25635,40590) v1(25765,40590) ; v1(26230,40335) v1(26555,40335)
PC12: HW3.4 U4.87 | length 6443.7
  Top Layer w10: v1(26585,40395) 26815,40395 26850,40360 26850,40250 26865,40235 26955,40235 U4.87@27005,40185
  Top Layer w15: v1(23040,38605) 23040,38235 23070,38205 HW3.4@23145,38205 ; v1(24035,39995) 24035,40160 24140,40265 v1(24810,40265) ; v1(25165,40455) 25165,40530 25280,40645 v1(25580,40645) ; v1(25750,40645) 26040,40645 v1(26250,40435)
  Bottom Layer w15: v1(23040,38605) 23040,39160 23090,39210 v1(23165,39210) 23250,39210 23485,39445 23485,39935 23545,39995 v1(24035,39995) ; v1(24810,40265) 24825,40250 25140,40250 25190,40300 25190,40430 v1(25165,40455) ; v1(25580,40645) v1(25750,40645) ; v1(26250,40435) 26290,40395 v1(26585,40395)
pads on no net: Dr1.1 Dr2.1 Dr3.1 Dr4.1 HW1.2 HW2.2 HW3.2 IC1.4 U4.2 U4.3 U4.5 U4.15 U4.19 U4.20 U4.21 U4.24 U4.25 U4.26 U4.30 U4.40 U4.43 U4.50 U4.51 U4.52 U4.53 U4.54 U4.55 U4.56 U4.57 U4.59 U4.74 U4.76 U4.77 U4.78 U4.79 U4.81 U4.82 U4.85 U10.4 U10.5 U10.6 U10.7 U10.8 U10.9 U10.11 U10.12 U10.13 U10.14 U10.15 U10.16 U11.9 U11.10 U11.14 U11.15 U12.9 U12.10 U12.14 U12.15 U13.6 U13.7 U13.8 U13.9 U13.11 U13.12 U13.13 U13.14 U14.2 U14.4 U14.7 U14.8 U14.9

## Polygon pours and split planes (outlines as drawn)
GND on Top Layer "TOP_GND" (solid, remove dead copper, pour order 30): 22330,43180 22900,43750 29135,43750 29565,43320 29565,37030 29140,36605 22505,36605 22320,36790 22320,43180
GND on Bottom Layer "BOT_GND" (solid, remove dead copper, pour order 32): 22405,43385 22925,43905 29215,43905 29840,43280 29840,36860 29295,36315 22735,36315 22390,36660 22405,36675

## Keep-outs
Keep-Out Layer:
  lines w10: 22714.01,37113.4 22734.01,37053.4 ; 22714.01,43368.4 22734.01,43428.4 ; 22724.01,37053.4 22744.01,37053.4 ; 22724.01,43428.4 22744.01,43428.4 ; 22734.01,39959.98 22734.01,37053.4 ; 22734.01,40521.81 22734.01,43428.4 ; 22754.01,37113.4 22734.01,37053.4 ; 22754.01,43368.4 22734.01,43428.4 ; 22833.39,43560.99 22833.39,43580.99 ; 22893.39,43550.99 22833.39,43570.99 ; 22893.39,43590.99 22833.39,43570.99 ; 25619.98,43570.99 22833.39,43570.99 ; 26171.81,43570.99 28958.39,43570.99 ; 28898.39,43550.99 28958.39,43570.99 ; 28898.39,43590.99 28958.39,43570.99 ; 28958.39,43560.99 28958.39,43580.99 ; 22845,37060 22845,43435 28970,43435 28970,37060 22845,37060
  text "6125 (mil)" at 25629.98,43535 h60
  text "6375 (mil)" at 22770,39969.98 h60 r90

## Silkscreen, mask and mechanical layers (free items; w line width, h text height)
Top Overlay:
  text "+" at 27520,43325 h40
  text "+" at 23715,43315 h40
  text "+" at 24125,43315 h40
  text "+" at 24530,43315 h40
  text "+" at 24920,43315 h40
  text "+" at 25325,43315 h40
  text "+" at 25725,43315 h40
  text "-" at 23480,43310 h40
  text "-" at 23895,43310 h40
  text "-" at 24295,43310 h40
  text "-" at 24695,43310 h40
  text "-" at 25100,43310 h40
  text "-" at 25500,43310 h40
  text "-" at 26030,43305 h40
  text "+" at 26230,43305 h40
  text "-" at 26420,43305 h40
  text "+" at 26635,43305 h40
  text "-" at 26820,43305 h40
  text "+" at 27040,43305 h40
  text "-" at 27295,43305 h40
  text "-" at 27750,43305 h40
  text "+" at 27975,43305 h40
  text "-" at 28145,43305 h40
  text "+" at 28375,43305 h40
  text "-" at 22930,42785 h40 r270
  text "+" at 22930,42580 h40 r270
  text "5V" at 28865,41980 h40 r90
  text "G" at 22930,41975 h40 r270
  text "A" at 28865,41910 h40 r90
  text "ADC2" at 22930,41880 h40 r270
  text "B" at 28865,41810 h40 r90
  text "ADC1" at 22930,41705 h40 r270
  text "G" at 28865,41705 h40 r90
  text "5V" at 22930,41540 h40 r270
  text "G" at 22935,39835 h40 r270
  text "ECHO" at 22935,39695 h40 r270
  text "TRIG" at 22935,39525 h40 r270
  text "5V" at 22935,39340 h40 r270
  text "5V" at 28865,38965 h40 r90
  text "I_SIG" at 28865,38745 h40 r90
  text "G" at 28865,38640 h40 r90
  text "5V" at 28865,38115 h40 r90
  text "I_SIG" at 28860,37865 h40 r90
  text "G" at 28872,37755 h40 r90
  text "5V" at 23555,37385 h40
  text "PUL" at 23670,37385 h40
  text "DIR" at 23810,37385 h40
  text "G" at 23980,37385 h40
  text "5V" at 26295,37360 h40
  text "O_SIG" at 26530,37360 h40
  text "G" at 26830,37360 h40
  text "5V" at 27405,37360 h40
  text "I_SIG" at 27550,37360 h40
  text "G" at 27790,37360 h40

## Text inside footprints (layer, text, board x,y; h text height)
U1: Top Overlay "1" at 24935,42375.14 h39.37 r90
U2: Top Overlay "1" at 24582,41509 h39.37 r90
U3: Top Overlay "1" at 27537,42359 h39.37 r90